# Altium PCB Testopstelling_DA_BOX_V1.0.PcbDoc (part 2 of 3) (continued)
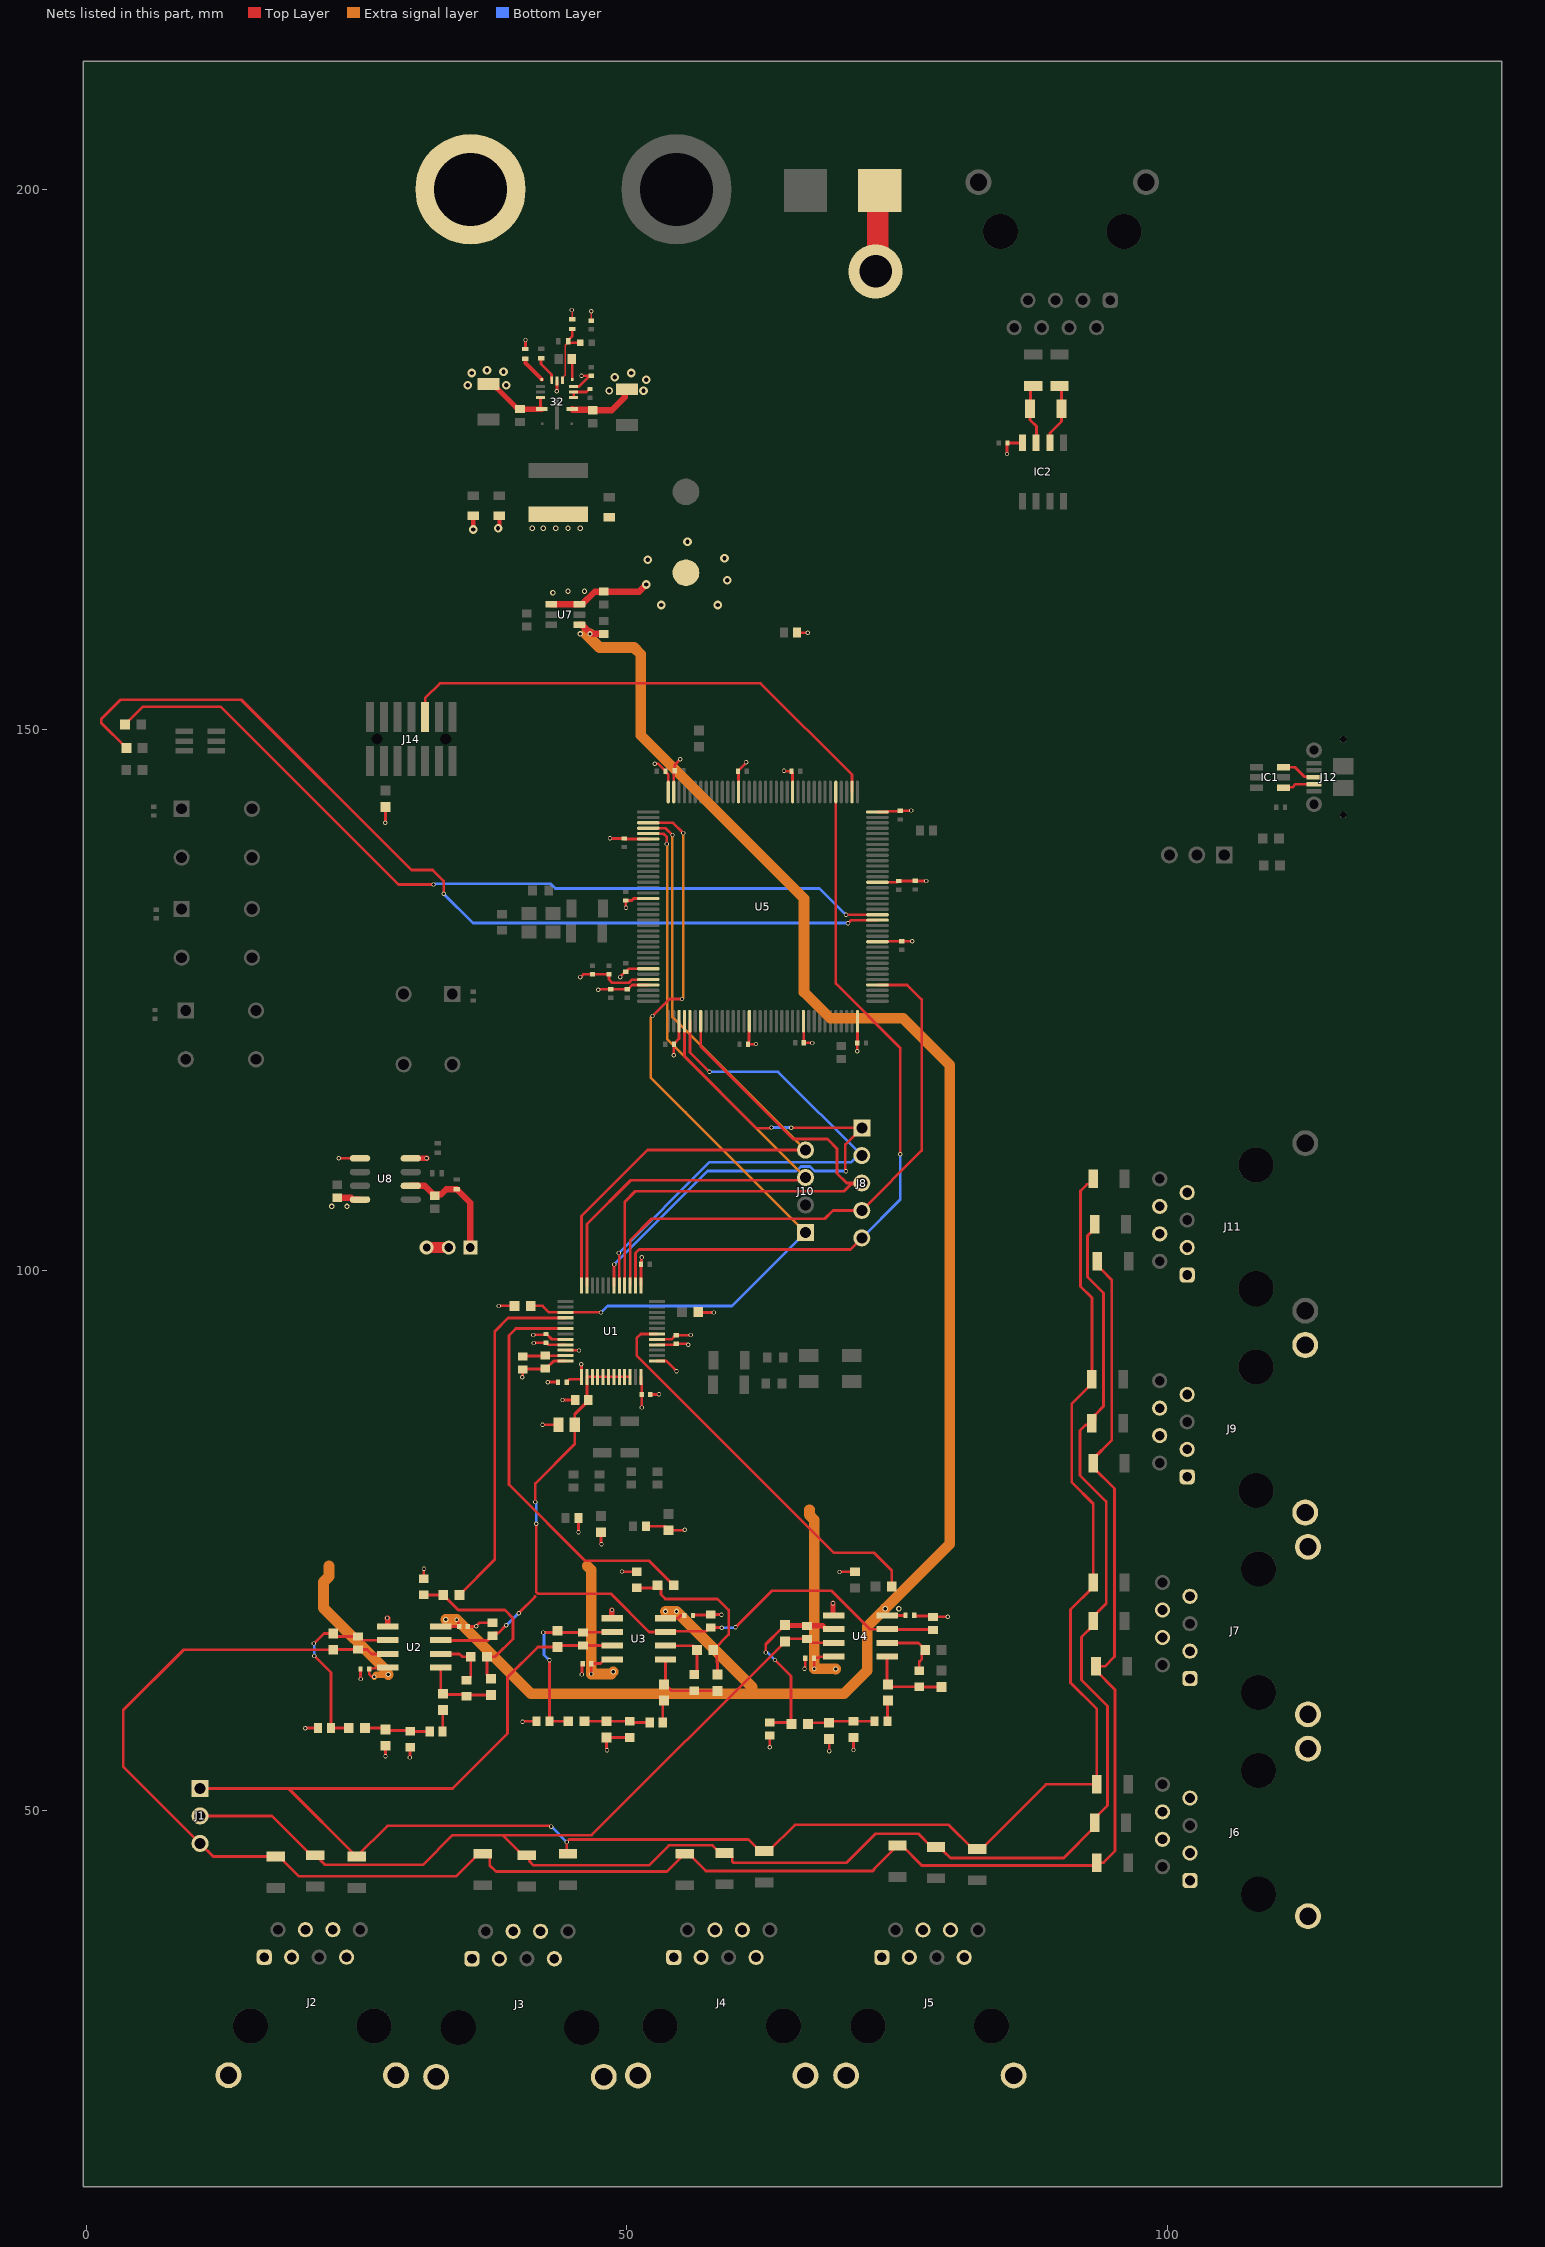
[diagram p6: the nets of this part, all layers, seen from the top]
## Part data (continued)
U8: library part CMP-0476-01501-1, "Low 160 mV Dropout Voltage, Internal PNP Pass Element, 200 mV Reference Voltage, 0.9 to 10 V Vin, Adjustable Vout, 8-pin SOIC (S8-8), -40 to 125 degC, Pb-Free", Dropout Voltage(V)=0.155, Manufacturer="Linear Technology", Output Voltage=Adj, Shutdown Current(uA)=3, ComponentLink1Description="Manufacturer URL", ComponentLink1URL=http://www.linear.com/, ComponentLink2Description=Datasheet, ComponentLink2URL=http://cds.linear.com/docs/en/datasheet/3021fc.pdf, ComponentLink3Description="Package Specification", ComponentLink3URL=http://cds.linear.com/docs/en/packaging/05081610_G_SO8.pdf, DatasheetVersion="Rev. C", Discrete Pass Element=no, Iout(mA)=500, Isupply(mA)=0.12, Mounting Technology="Surface Mount", Noise(uV)=300, Number Of Outputs=1, PackageDescription="8-Pin Plastic Small Outline (Narrow .150 Inch), Body 4.9 x 3.9 mm, Pitch 1.27 mm", PackageReference=S8-8, PackageVersion="Rev. G, 03/2012", PartNumber=LT3021ES8#PBF, PSRR(dB)=70, RoHS=TRUE, Vin Max(V)=10, Vin Min(V)=0.9, Vout Max(V)=9.8, Vout Min(V)=0.2
Y1: library part CMP-1688-00004-2, "Crystal 12.288MHz ±20ppm 18pF SMD-4 5mm x 3.2mm", Case/Package=CSMD, ESR (Equivalent Series Resistance)=70R, Frequency=12.288MHz, Frequency Stability=50ppm, Frequency Tolerance=20ppm, Load Capacitance=18pF, Max Operating Temperature=70°C, Min Operating Temperature=-20°C, Operating Frequency="12.288 MHz", Package Quantity=1000, Resistor Type=Ceramic, Depth=3.2mm, Height=0.043inch, Lead Free="Lead Free", Length=5mm, Mount="Surface Mount", Number of Pins=4, Packaging="Tape and Reel", Radiation Hardening=No, REACH SVHC="No SVHC", Series=ABM3B, Termination=SMD/SMT, Tolerance=20ppm, Width=3.2mm
Y2: library part CMP-2000-05039-3, "Crystal 12MHz ±20ppm (Tol) ±30ppm (Stability) 18pF FUND 120Ω 4-Pin SMD T/R", Case/Package=CSMD, ESR (Equivalent Series Resistance)=120R, Frequency=12MHz, Frequency Stability=30ppm, Frequency Tolerance=20ppm, Load Capacitance=18pF, Max Operating Temperature=85°C, Min Operating Temperature=-40°C, Operating Frequency="12 MHz", Package Quantity=1000, Depth=2.5mm, Height=1mm, Lead Free="Lead Free", Length=3.2mm, Mount="Surface Mount", Number of Pins=4, Packaging="Tape and Reel", Radiation Hardening=No, Series=ABM8G, Series Resistance=120R, Termination=SMD/SMT, Tolerance=20ppm, Width=2.5mm

## Via types
v1: diameter 0.4, hole 0.25, Top Layer to Bottom Layer, 193 vias
v2: diameter 0.5, hole 0.3, Top Layer to Bottom Layer, 39 vias
v3: diameter 0.8, hole 0.4, Top Layer to Bottom Layer, 24 vias
v4: diameter 5, hole 3, Top Layer to Bottom Layer, 5 vias
v5: diameter 1.27, hole 0.711, Top Layer to Bottom Layer, 1 vias
v6: diameter 0.7, hole 0.4, Top Layer to Bottom Layer, 1 vias

## Nets (pads, with @x,y where several pads share a name; then routed paths per layer and width w, separated by ;. In a path a pad name is that pad's centre, name@x,y a point inside that pad or via, vN(x,y) a via of type N, cw(c..) or ccw(c..) an arc to the next point about the centre after c; other vN are vias at no path point)
"+3V1 (AVDD)": C24.1 C25.1 C35.1 C36.1 C37.1 C38.1 C39.1 C75.2 C84.1 C86.1 C88.1 R28.2 R30.2 R65.2 U1.5 U1.33 U1.37 U1.48 U2.8 U3.8 U4.8 U8.2 | length 81.4
  Top Layer w0.254: v1(26.645,62.395) 26.617,62.423 26.4,62.423 26.181,62.642 C84.1@26.181,63.119 26.244,63.182 27.826,63.182 U2.8@27.889,63.246 ; v1(41.395,93.28) 41.408,93.294 42.532,93.294 C35.1@42.545,93.307 42.595,93.307 42.784,93.118 U1.33@44.355,93.118 ; C38.1@44.45,89.662 44.45,89.712 44.523,89.785 44.573,89.785 44.704,89.916 45.812,89.916 45.825,89.929 U1.37@45.825,90.149 45.825,91.298 v1(45.806,91.316) ; v1(45.54,75.76) 45.558,75.777 C25.1@45.558,77.089 ; v1(46.721,62.669) 46.736,62.683 C86.1@46.736,63.627 47.574,63.627 47.955,64.008 U3.8@48.666,64.008 ; R30.2@47.633,75.78 47.633,74.702 v1(47.668,74.668) ; U1.48@51.325,90.149 51.325,89.552 51.397,89.48 C36.1@51.397,88.519 v1@51.396,87.309 ; C24.1@51.991,76.136 C24.1@51.8,76.327 53.496,76.327 R28.2@53.867,75.957 ; U1.5@52.802,93.626 U1.5@52.791,93.615 54.151,93.615 54.535,93.999 C37.1@54.585,93.999 55.904,93.999 v1(55.92,94.015) ; R28.2@53.867,75.957 55.326,75.957 v1(55.367,75.998) ; v1(67.362,63.14) 67.346,63.157 67.346,64.152 67.359,64.165 67.756,64.165 67.853,64.262 U4.8@69.164,64.262
  Top Layer w0.6: U8.2@30.036,107.823 31.334,107.823 32.108,107.049 32.108,106.974 32.183,106.899 C75.2@32.258,106.899 ; C75.2@32.263,106.974 32.69,106.974 32.759,107.044 32.849,107.044 33.306,107.5 R65.2@34.29,107.5 35.544,106.246 C39.1@35.544,102.108
  Extra signal layer w0.6: v1(26.645,62.395) 26.86,62.611 v2(27.94,62.611)
  Extra signal layer w1: 22.479,72.644 22.479,71.687 21.971,71.179 21.971,68.773 27.761,62.984 27.761,62.79 v2(27.94,62.611) ; 46.355,72.644 46.721,72.278 v1(46.721,62.669) 48.572,62.669 v2(48.768,62.865) ; 66.929,77.851 66.903,77.825 66.903,77.369 67.362,76.91 v1(67.362,63.14) 69.321,63.14 v2(69.342,63.119)
  other v1: 51.396,87.308
"+3V3 (DVVD)": 32.5 C34.1 C46.1 C47.1 C48.1 C49.1 C50.1 C51.1 C52.1 C53.1 C54.1 C55.1 C56.1 C57.1 C58.1 C59.1 C60.1 C61.1 C62.1 C63.2 C68.1 C69.1 C70.1 C72.2 C73.2 C77.1 C79.2 C80.1 C90.1 C91.1 C92.1 IC2.8 L1.2 R37.2 R53.2 R59.2 R60.2 R62.1 U1.13 U5.6 U5.17 U5.30 U5.32 U5.33 U5.39 U5.52 U5.62 U5.72 U5.84 U5.95 U5.108 U5.121 U5.131 U5.143 U5.144 U7.3 U7.4 U8.5 U8.8 | length 88.5
  Top Layer w0.15: v1(44.921,188.835) 44.958,188.797 R60.2@44.958,187.971 R60.2@45.017,187.911 ; C72.2@46.677,187.911 C72.2@46.736,187.852 v1(46.736,188.722)
  Top Layer w0.254: v1(23.368,110.363) U8.5@25.336,110.363 ; v1(27.662,141.407) 27.686,141.431 R59.2@27.686,142.875 ; v1(38.176,96.706) 38.187,96.717 R53.2@39.635,96.717 ; R62.1@40.64,185.235 v1(40.64,186.055) ; 32.5@45.098,181.751 45.599,181.751 46.528,182.68 46.663,182.68 C73.2@46.736,182.753 46.729,182.76 45.827,182.76 v1(45.82,182.768) ; v1(45.72,127.127) 45.76,127.127 46.012,127.379 C61.1@46.842,127.379 C62.1@48.366,127.379 48.366,126.894 48.666,126.594 50.199,126.594 50.493,126.887 51.059,126.887 51.063,126.891 51.995,126.891 U5.32@52.004,126.9 ; v1(47.377,125.965) 47.415,126.003 C55.1@48.535,126.003 C54.1@50.059,126.003 50.109,126.003 50.506,126.4 U5.33@52.004,126.4 ; v1(48.458,139.96) 48.464,139.954 C51.1@49.784,139.954 49.829,139.909 51.995,139.909 U5.6@52.004,139.9 ; v1(49.403,127.127) 49.403,127.158 49.861,127.616 49.961,127.616 50.034,127.689 50.034,127.739 50.186,127.891 51.082,127.891 51.092,127.9 U5.30@52.004,127.9 ; v1(49.94,133.547) 49.911,133.576 C53.1@49.911,134.22 50.473,134.22 50.653,134.4 U5.17@52.004,134.4 ; U1.13@51.325,98.582 51.327,98.584 51.327,100.566 51.372,100.611 v1@51.372,101.183 ; v1(52.588,146.868) 52.903,146.868 C48.1@53.594,146.177 53.594,146.127 53.854,145.867 U5.144@53.854,144.25 ; U5.143@54.354,144.25 C49.1@54.354,146.07 ; v1(54.356,119.888) 54.365,119.897 54.365,120.945 54.854,121.433 U5.39@54.854,123.05 ; C49.1@54.457,146.223 54.457,146.772 v1(54.951,147.265) ; R37.2@56.62,96.139 56.657,96.102 v1(58.062,96.102) ; U5.131@60.354,144.25 60.345,144.259 60.345,146.138 C52.1@60.306,146.177 61.051,146.922 v1(61.051,146.991) ; U5.52@61.354,123.05 61.354,122.138 61.327,122.11 61.327,121.176 61.306,121.155 61.306,120.977 C59.1@61.233,120.904 61.327,120.904 61.928,120.904 v1(61.96,120.936) ; v1(64.562,146.223) 64.608,146.177 C92.1@65.259,146.177 ; U5.121@65.354,144.25 C92.1@65.354,146.032 ; C56.1@65.751,159.004 65.774,158.981 v1(66.746,158.981) ; U5.62@66.354,123.05 66.354,122.138 66.395,122.096 C60.1@66.395,121.072 66.416,121.052 67.162,121.052 v1(67.183,121.031) ; v1(71.338,120.277) 71.336,120.279 C46.1@71.336,121.031 71.345,121.04 71.345,123.041 U5.72@71.354,123.05 ; U5.84@73.204,130.4 74.116,130.4 74.164,130.448 C50.1@75.438,130.448 76.427,130.448 v1(76.429,130.449) ; U5.95@73.204,135.9 75.017,135.9 75.134,136.017 C91.1@75.184,136.017 75.193,136.026 76.699,136.026 C90.1@76.708,136.036 76.717,136.026 77.715,136.026 v1(77.724,136.017) ; U5.108@73.204,142.4 74.116,142.4 74.187,142.471 75.269,142.471 C47.1@75.311,142.513 76.297,142.513 v1(76.316,142.532) ; v1(85.189,175.524) 85.189,176.501 C80.1@85.225,176.536 86.575,176.536 IC2.8@86.614,176.575
  Top Layer w0.381: v3(35.814,168.529) C68.1@35.814,169.799 ; v3(38.109,168.65) 38.227,168.768 C69.1@38.227,169.799
  Top Layer w0.6: C79.2@23.241,106.715 24.524,106.715 24.686,106.553 U8.8@25.336,106.553 ; U7.4@43.023,161.605 U7.3@45.623,161.605 45.873,161.605 47.047,162.779 C77.1@47.879,162.779 51.146,162.779 v3(51.816,163.449)
  other v1: 51.385,101.197
  other v2: 22.733,105.918 24.13,105.918 43.18,162.687 44.577,162.814 46.101,162.814 41.275,168.656 42.291,168.656 43.434,168.656 44.577,168.656 45.72,168.656
  other v3: 53.213,161.544 58.42,161.544 59.309,163.83 51.943,165.735 59.055,165.862 55.626,167.386
+30V: 32.2 32.13 32.14 C64.1 C65.1 C66.1 C67.1 J15.1 | length 14.9
  Top Layer w0.3: 32.13@42.022,180.751 42.022,179.726 42.072,179.676 32.14@42.147,179.676
  Top Layer w0.5: C64.1@37.211,181.99 37.686,181.99 37.986,181.69 37.986,181.605 39.796,179.795 40.007,179.795 C65.1@40.132,179.67 40.135,179.673 42.144,179.673 32.14@42.147,179.676
  Top Layer w0.6: 32.2@44.973,179.676 45.03,179.619 46.805,179.619 C67.1@46.862,179.562 47.122,179.557 47.125,179.557 48.622,179.557 49.822,180.757 49.822,181.286 C66.1@50.037,181.501
  Extra signal layer w5: J15.1@34.482,200.914 34.564,200.996 J15.1@35.56,200
  other v3: 51.562,181.356 35.306,181.864 38.862,181.864 51.816,182.372 48.895,182.626 35.687,183.007 50.419,183.007 38.608,183.134 37.084,183.261
  other v6: 48.387,181.356
"-3V3 (AS)": C76.1 C85.1 C87.1 C89.1 U2.4 U3.4 U4.4 U7.1 | length 182
  Top Layer w0.254: U2.4@32.817,67.056 C85.1@34.506,67.056 34.433,67.129 34.433,67.508 34.29,67.651 v1(34.29,67.691) ; U3.4@53.594,67.818 54.737,67.818 55.011,68.092 55.314,68.092 C87.1@55.334,68.072 ; U4.4@74.092,68.072 74.102,68.083 75.79,68.083 C89.1@75.8,68.093
  Top Layer w0.6: U7.1@45.623,159.705 45.873,159.705 46.701,158.877 C76.1@47.879,158.877
  Extra signal layer w1: v2(33.274,67.691) v1(34.29,67.691) 41.148,60.833 61.595,60.833 ; v2(46.609,158.877) 46.228,158.877 47.498,157.607 50.693,157.607 51.308,156.992 51.308,149.495 66.421,134.382 66.421,125.73 68.834,123.317 75.565,123.317 79.883,118.999 79.883,74.676 v2(73.914,68.707) 72.263,67.056 72.263,62.992 70.104,60.833 61.595,60.833 ; v2(53.594,68.453) v2(54.61,68.453) 61.595,61.468 61.595,60.833
  other v2: 75.184,68.707 45.72,158.877
A: IC2.6 R68.1 R69.1 | length 5.8
  Top Layer w0.254: IC2.6@89.154,176.575 89.159,176.58 89.159,177.461 90.223,178.525 R69.1@90.223,179.705 90.223,181.631 R68.1@90.043,181.811
AGND: 32.8 C2.1 C5.2 C6.2 C7.2 C9.1 C12.2 C13.2 C14.2 C16.1 C19.2 C20.2 C21.2 C30.2 C31.2 C32.2 C33.2 C35.2 C36.2 C37.2 C38.2 C39.2 C84.2 C85.2 C86.2 C87.2 C88.2 C89.2 J2.1 J2.3 J2.4 J2.6 J2.7 J2.Shell J3.1 J3.3 J3.4 J3.6 J3.7 J3.Shell J4.1 J4.3 J4.4 J4.6 J4.7 J4.Shell J5.1 J5.3 J5.4 J5.6 J5.7 J5.Shell J6.1 J6.3 J6.4 J6.6 J6.7 J6.Shell J7.1 J7.3 J7.4 J7.6 J7.7 J7.Shell J9.1 J9.3 J9.4 J9.6 J9.7 J9.Shell J11.1 J11.3 J11.4 J11.6 J11.7 NT1.2 R3.1 R10.1 R17.1 U1.1 U1.4 U1.32 U1.34 U1.36 U2.5 U3.5 U4.5 U8.4 | length 60.1
  Top Layer w0.254: v1(20.258,57.638) 20.277,57.658 C7.2@21.463,57.658 ; C84.2@25.381,63.119 25.381,62.212 v1(25.396,62.197) ; R3.1@27.686,56.018 27.686,55.049 v1(27.694,55.04) ; v1(29.946,54.939) 29.972,54.965 C2.1@29.972,55.88 ; C5.2@31.242,71.477 31.242,72.391 v1(31.249,72.398) ; C85.2@35.306,67.056 36.047,67.056 v1(36.077,67.086) 36.393,67.402 C6.2@37.592,67.402 ; v1(40.357,90.108) 40.386,90.136 C33.2@40.386,90.84 40.42,90.874 42.441,90.874 C32.2@42.475,90.909 42.55,90.909 43.256,91.615 U1.36@44.358,91.615 ; v1(40.372,58.257) 40.409,58.293 C14.2@41.656,58.293 ; v1(41.363,94.023) 41.391,94.051 42.492,94.051 42.572,94.13 43.076,93.626 U1.32@44.347,93.626 ; v1(42.224,85.729) 42.229,85.725 C30.2@43.7,85.725 ; v1(42.697,89.641) 42.718,89.662 C38.2@43.65,89.662 ; v1(43.539,181.329) 43.558,181.347 43.558,182.262 32.8@43.56,182.264 ; v1(44.069,88.011) C31.2@45.247,88.011 ; U1.34@44.358,92.615 45.561,92.615 v1(45.593,92.583) ; v1(45.847,62.611) 45.875,62.639 45.875,63.566 C86.2@45.936,63.627 ; v1(48.188,55.613) 48.133,55.668 R10.1@48.133,56.791 50.282,56.791 C9.1@50.292,56.781 ; U3.5@48.641,67.843 U3.5@48.666,67.818 ; v1(49.575,72.142) 49.594,72.124 C12.2@50.927,72.124 ; C36.2@52.197,88.519 52.967,88.519 v1(52.99,88.542) ; U1.1@52.791,91.615 53.673,91.615 v1(54.61,90.678) ; U1.4@52.791,93.115 54.451,93.115 54.535,93.199 C37.2@54.585,93.199 55.582,93.199 55.651,93.13 v1(55.69,93.13) ; C87.2@56.134,68.072 56.18,68.118 57.739,68.118 C13.2@57.785,68.164 58.756,68.164 v1(58.773,68.147) ; v1(63.246,55.88) C21.2@63.246,56.966 ; v1(66.453,63.14) 66.453,63.18 66.529,63.255 C88.2@66.529,64.135 ; R17.1@68.707,56.653 68.734,56.626 v1(68.734,55.529) ; U4.5@69.09,68.146 U4.5@69.164,68.072 ; v1(69.694,72.094) 69.713,72.112 C19.2@71.12,72.112 ; v1(70.993,55.626) C16.1@70.993,56.781 ; C89.2@76.6,68.093 76.673,68.02 78.271,68.02 C20.2@78.344,67.947 79.694,67.947 v1(79.709,67.963)
  Top Layer w0.5: v1(27.863,67.833) 27.889,67.807 U2.5@27.889,67.056 ; U8.4@30.036,110.363 v1(31.496,110.363) ; U3.5@48.641,67.843 v1(48.641,68.58) ; U4.5@69.09,68.146 v1(69.09,69.196)
  Top Layer w1: v5(31.496,102.108) C39.2@33.544,102.108
  Top Layer w1.5: v4(73.025,192.405) v4@73.215,192.595 ; NT1.2@73.215,199.707 NT1.2@73.406,199.898
  Top Layer w2: v4@73.215,192.595 NT1.2@73.215,199.707
B: IC2.7 R69.2 R70.1 | length 5.6
  Top Layer w0.254: R70.1@87.63,181.811 87.357,181.538 87.357,179.739 R69.2@87.323,179.705 87.323,178.665 87.904,178.084 87.904,176.595 IC2.7@87.884,176.575
B_LED: R71.2 U5.89 | length 78.3
  Top Layer w0.254: R71.2@3.596,150.48 R71.2@3.924,150.807 ; R71.2@3.925,150.807 5.264,152.146 12.448,152.146 28.907,135.687 v1(32.143,135.687) ; v1(70.3,132.883) 70.317,132.9 U5.89@73.204,132.9
  Bottom Layer w0.254: v1(32.143,135.687) 32.17,135.715 32.274,135.715 32.314,135.755 42.982,135.755 43.407,135.33 67.852,135.33 v1(70.3,132.883)
CM: C6.1 C13.1 C20.1 C30.1 C31.1 U1.38 U1.39 U1.40 U1.41 U1.42 U1.43 U1.44 U1.45 U1.46 U2.3 U3.3 U4.3 | length 77.8
  Top Layer w0.254: U2.3@32.834,65.769 37.159,65.769 37.269,65.879 37.269,65.954 37.517,66.202 C6.1@37.592,66.202 37.84,66.45 38.136,66.45 v1@38.862,67.176 ; v1(40.013,68.283) 41.529,69.799 41.529,69.85 ; v1(41.551,78.579) 41.551,80.286 45.2,83.935 C30.1@45.2,85.725 45.2,86.689 46.447,87.936 C31.1@46.447,88.011 46.337,88.121 46.337,90.136 U1.38@46.325,90.149 U1.39@46.825,90.149 U1.40@47.325,90.149 U1.41@47.825,90.149 U1.42@48.325,90.149 U1.43@48.825,90.149 U1.44@49.325,90.149 U1.45@49.825,90.149 U1.46@50.325,90.149 ; v1(41.629,76.567) 41.629,70.251 41.797,70.083 48.537,70.083 52.072,66.548 U3.3@53.594,66.548 53.659,66.613 57.359,66.613 57.71,66.964 58.777,66.964 v1(58.796,66.946) ; v1(60.066,66.988) 63.436,70.358 68.961,70.358 72.517,66.802 U4.3@74.092,66.802 74.119,66.774 78.317,66.774 C20.1@78.344,66.747
  Bottom Layer w0.254: v1(38.862,67.183) 38.913,67.183 v1(40.013,68.283) ; v1(41.551,78.579) 41.551,78.54 41.629,78.462 v1(41.629,76.567) ; v1(58.796,66.946) 60.023,66.946 v1(60.066,66.988)
CS: J10.1 R53.1 U1.27 U5.3 | length 77.1
  Top Layer w0.254: R53.1@41.137,96.717 42.221,96.717 42.823,96.115 44.333,96.115 44.345,96.128 U1.27@44.358,96.115 ; U1.27@44.368,96.125 47.615,96.125 v1(47.637,96.103) ; U5.3@52.004,141.4 54.294,141.4 v1(55.236,140.458) ; v1(52.391,123.521) 53.965,125.095 v1(55.118,125.095)
  Extra signal layer w0.254: v1(52.391,123.521) 52.391,123.514 52.222,123.345 52.222,117.831 55.372,114.681 ; v1(55.118,125.095) 55.236,125.213 v1(55.236,140.458) ; 55.435,114.617 J10.1@66.548,103.505
  Bottom Layer w0.254: v1(47.637,96.103) 48.24,96.706 59.749,96.706 J10.1@66.548,103.505
D+: IC1.3 J12.3 | length 3.2
  Top Layer w0.254: IC1.3@110.77,146.543 111.831,146.543 112.715,145.66 113.547,145.66 J12.3@113.584,145.623
D-: IC1.1 J12.2 | length 3
  Top Layer w0.254: IC1.1@110.77,144.643 110.81,144.683 111.597,144.683 111.887,144.973 J12.2@113.584,144.973
DAC_OUT_filter_1: C1.1 C2.2 R3.2 R8.1 | length 6.1
  Top Layer w0.254: R8.1@25.801,57.668 27.538,57.668 27.762,57.444 29.908,57.444 30.006,57.346 C1.1@31.785,57.346
DAC_OUT_filter_2: C8.1 C9.2 R10.2 R15.1 | length 5.9
  Top Layer w0.254: R15.1@46.101,58.293 R10.2@48.133,58.293 50.28,58.293 C9.2@50.292,58.281 ; C9.2@50.419,58.166 C8.1@52.14,58.166
DAC_OUT_filter_3: C15.1 C16.2 R17.2 R22.1 | length 6.3
  Top Layer w0.254: R22.1@66.764,58.038 66.881,58.155 R17.2@68.707,58.155 68.833,58.281 C16.2@70.993,58.281 71.005,58.293 C15.1@72.933,58.293
DAC_OUT_L1: R6.1 U1.28 | length 32.8
  Top Layer w0.254: R6.1@34.533,69.977 37.802,73.245 37.802,94.36 39.04,95.599 43.645,95.599 43.649,95.603 U1.28@44.342,95.603
DAC_OUT_L2: R13.1 U1.30 | length 39.1
  Top Layer w0.254: U1.30@43.645,94.588 43.659,94.603 44.345,94.603 U1.30@44.358,94.615 39.751,94.615 39.116,93.98 39.116,80.179 46.157,73.138 52.084,73.138 R13.1@54.027,71.195 ; R13.1@54.028,71.195 R13.1@54.356,70.866
DAC_OUT_L3: R20.1 U1.6 | length 37
  Top Layer w0.254: U1.6@52.791,94.115 51.316,94.115 50.927,93.726 50.927,92.124 69.179,73.872 72.902,73.872 74.527,72.247 R20.1@74.527,70.739
DAC_OUTPUT_na_filter_L1: C4.2 J1.3 R5.2 R24.1 R31.1 R36.1 R40.1 R43.1 R46.1 R49.1 R52.1 U2.7 | length 192.4
  Top Layer w0.254: U2.7@27.889,64.516 26.416,64.516 26,64.932 C4.2@25.146,64.932 22.884,64.932 R5.2@22.86,64.908 9.028,64.908 3.429,59.309 3.429,54.102 J1.3@10.541,46.99 11.758,45.773 17.926,45.773 18.126,45.573 18.126,45.501 19.685,43.942 34.218,43.942 36.303,46.027 R31.1@36.703,46.027 37.015,46.027 37.338,45.704 37.338,44.958 37.909,44.387 53.732,44.387 R36.1@55.372,46.027 55.772,46.027 56.095,45.704 56.095,45.671 57.33,44.436 72.771,44.436 72.875,44.54 72.875,44.607 R40.1@75.057,46.789 75.457,46.789 77.296,44.95 93.231,44.95 R43.1@93.493,45.212 94.107,45.212 95.186,46.291 95.186,61.206 93.419,62.973 R46.1@93.419,63.373 94.234,63.373 95.123,64.262 95.123,79.811 93.165,81.769 R49.1@93.165,82.169 93.165,82.569 94.869,84.273 94.869,99.134 93.888,100.115 93.869,100.115 93.546,100.438 R52.1@93.546,100.838
DAC_OUTPUT_na_filter_L2: C11.2 J1.1 R1.1 R12.2 R27.1 R32.1 R38.1 R41.1 R44.1 R47.1 R50.1 U3.7 | length 192.4
  Top Layer w0.254: J1.1@10.541,52.07 33.909,52.07 38.989,57.15 38.989,62.357 41.783,65.151 43.595,65.151 R12.2@43.605,65.162 43.749,65.305 C11.2@45.974,65.305 45.988,65.292 48.653,65.292 U3.7@48.666,65.278 ; 18.789,52.003 R1.1@25.019,45.773 27.864,48.618 42.927,48.618 43.001,48.545 v1(43.04,48.545) ; R27.1@44.577,46.027 44.45,46.154 v1(44.45,47.117) 44.685,47.352 61.267,47.352 62.338,46.281 R32.1@62.738,46.281 63.138,46.281 65.564,48.707 79.798,48.707 82.023,46.482 R38.1@82.423,46.482 82.823,46.482 88.792,52.451 R41.1@93.493,52.451 93.493,59.415 91.059,61.849 91.059,68.614 93.165,70.72 R44.1@93.165,71.12 93.165,78.412 91.186,80.391 91.186,87.664 93.038,89.516 R47.1@93.038,89.916 93.038,97.462 91.988,98.512 91.988,107.355 92.592,107.959 92.842,107.959 93.165,108.282 R50.1@93.165,108.458
  Bottom Layer w0.254: v1(43.04,48.545) 43.04,48.536 44.45,47.126 v1(44.45,47.117)
DAC_OUTPUT_na_filter_L3: C18.2 J1.2 R19.2 R23.1 R29.1 R35.1 R39.1 R42.1 R45.1 R48.1 R51.1 U4.7 | length 191.7
  Top Layer w0.254: J1.2@10.541,49.53 17.179,49.53 20.809,45.9 R23.1@21.209,45.9 22,45.109 22.104,45.005 31.162,45.005 33.909,47.752 38.515,47.752 ; R19.2@64.643,65.681 64.314,65.353 64.314,65.297 46.769,47.752 38.515,47.752 ; R19.2@64.643,65.681 64.875,65.913 66.75,65.913 67.119,65.544 U4.7@69.153,65.544 ; R51.1@93.292,104.267 93.292,103.867 92.627,103.202 92.627,99.378 94.107,97.899 94.107,87.428 93.361,86.682 93.361,86.175 92.881,85.695 92.465,85.695 91.948,85.178 91.948,81.026 94.361,78.613 94.361,69.16 93.165,67.964 R45.1@93.165,67.564 93.165,67.164 92.075,66.074 92.075,62.103 94.488,59.69 94.488,50.491 93.292,49.295 R42.1@93.292,48.895 93.292,48.495 90.433,45.636 79.95,45.636 79.336,46.249 79.336,46.339 79.013,46.662 78.213,46.662 76.996,47.879 73.025,47.879 70.358,45.212 59.882,45.212 59.778,45.316 59.778,45.778 59.455,46.101 R35.1@59.055,46.101 58.655,46.101 57.944,46.812 53.924,46.812 52.07,44.958 41.402,44.958 41.021,45.339 41.021,45.646 R29.1@40.767,45.9 40.367,45.9 38.515,47.752
FB: 32.7 R60.1 R61.2 R63.2 | length 6.1
  Top Layer w0.15: 32.7@44.06,182.339 44.06,182.551 44.323,182.815 44.323,185.563 44.588,185.828 R63.2@44.588,185.928
  Top Layer w0.254: R63.2@44.588,185.928 44.588,186.028 44.958,186.398 R60.1@44.958,187.071 ; R63.2@44.661,185.801 R61.2@45.703,185.801
FILTER: C32.1 C33.1 U1.35 | length 3.9
  Top Layer w0.254: C33.1@40.386,92.04 40.42,92.074 42.441,92.074 C32.1@42.475,92.109 U1.35@44.23,92.109 ; U1.35@44.323,92.15 U1.35@44.358,92.115
G_LED: R72.2 U5.88 | length 85.6
  Top Layer w0.254: R72.2@3.723,148.321 1.397,150.647 1.397,151.003 3.175,152.781 14.351,152.781 30.099,137.033 32.059,137.033 33.074,136.018 v1(33.074,134.841) ; v1(70.471,132.12) 70.51,132.12 70.772,132.382 72.253,132.382 72.263,132.391 73.195,132.391 U5.88@73.204,132.4
  Bottom Layer w0.254: v1(33.074,134.841) 35.794,132.12 v1(70.471,132.12)
I2S1_CK: J8.2 U1.17 U5.41 | length 52
  Top Layer w0.254: v1(49.276,101.6) 49.276,101.56 49.325,101.512 U1.17@49.325,98.582 ; U5.41@55.854,123.05 55.854,120.168 v1(57.658,118.364)
  Bottom Layer w0.254: v1(49.276,101.6) 57.682,110.006 70.788,110.006 71.399,110.617 J8.2@71.755,110.617 64.008,118.364 v1(57.658,118.364)
I2S1_SD: J8.3 U1.16 U5.43 | length 54.2
  Top Layer w0.254: U1.16@49.825,98.582 49.825,106.34 50.8,107.315 70.097,107.315 70.743,107.961 71.639,107.961 J8.3@71.755,108.077 70.358,108.077 69.469,108.966 69.469,111.252 68.58,112.141 65.405,112.141 56.854,120.692 U5.43@56.854,123.05
I2S1_WS: J8.1 U1.18 U5.40 | length 55
  Top Layer w0.254: U1.18@48.825,98.582 48.825,100.523 v1(48.841,100.539) ; U5.40@55.354,123.05 55.354,119.803 62.022,113.134 63.29,113.134 63.368,113.213 v1(63.408,113.213) ; v1(65.217,113.187) J8.1@71.725,113.187 ; v1(70.296,109.165) 70.231,109.23 70.231,111.633 J8.1@71.755,113.157 J8.1@71.725,113.187 ; J8.1@71.371,113.541 J8.1@71.725,113.187
  Bottom Layer w0.254: v1(48.841,100.539) 57.49,109.189 65.72,109.189 66.129,109.597 66.967,109.597 67.376,109.189 70.272,109.189 v1(70.296,109.165) ; v1(63.408,113.213) 65.191,113.213 v1(65.217,113.187)
I2S2_SD: J8.4 U1.15 U5.76 | length 53.2
  Top Layer w0.254: U1.15@50.325,98.582 50.325,102.776 52.324,104.775 68.326,104.775 69.088,105.537 J8.4@71.755,105.537 77.292,111.074 77.292,125.057 75.95,126.4 U5.76@73.204,126.4
I2S3_SD: J8.5 U1.14 U5.113 | length 69.7
  Top Layer w0.254: U1.14@50.82,98.586 50.82,101.611 51.143,101.934 70.692,101.934 J8.5@71.755,102.997 ; U5.113@69.354,144.25 69.354,126.539 75.311,120.582 v1(75.311,110.744)
  Bottom Layer w0.254: J8.5@71.755,102.997 75.311,106.553 v1(75.311,110.744)
JTDI: J14.10 U5.110 | length 46.9
  Top Layer w0.254: J14.10@31.362,151.176 31.362,152.939 32.728,154.305 62.397,154.305 70.845,145.857 70.845,144.259 U5.110@70.854,144.25
MISO: J10.4 U1.24 U5.4 | length 66.4
  Top Layer w0.254: U1.24@45.825,98.582 45.825,105.026 51.924,111.125 J10.4@66.548,111.125 ; U5.4@52.004,140.9 53.602,140.9 v1(54.237,140.264)
  Extra signal layer w0.254: v1(54.237,140.264) 54.229,140.256 54.229,123.444 J10.4@66.548,111.125
MOSI: J10.3 U1.23 U5.5 | length 66.5
  Top Layer w0.254: U1.23@46.325,98.582 46.325,104.272 50.384,108.331 66.548,108.331 J10.3@66.548,108.585 ; U5.5@52.004,140.4 52.013,140.391 53.419,140.391 53.721,140.09 v1(53.721,139.446)
  Extra signal layer w0.254: v1(53.721,139.446) 53.747,139.42 53.747,121.386 J10.3@66.548,108.585
Net32_3: 32.3 32.4 C71.2 | length 2.1
  Top Layer w0.254: 32.3@45.098,180.751 32.4@45.098,181.251 46.288,181.251 46.558,181.521 C71.2@46.608,181.521
Net32_6: 32.6 C74.1 | length 1.9
  Top Layer w0.254: C74.1@44.922,184.296 44.96,184.258 32.6@44.96,182.401
Net32_9: 32.9 R64.2 | length 2.4
  Top Layer w0.254: R64.2@42.088,184.367 42.088,183.845 43.058,182.875 43.058,182.341 32.9@43.06,182.339
Net32_10: 32.10 R62.2 | length 2.6
  Top Layer w0.4: R62.2@40.64,184.335 40.64,183.921 32.10@42.16,182.401
NetC1_2: C1.2 R2.2 | length 2
  Top Layer w0.254: C1.2@32.985,57.346 32.985,59.296 R2.2@33.02,59.331
NetC3_1: C3.1 R7.2 U2.2 | length 5.2
  Top Layer w0.254: U2.2@32.817,64.516 34.544,64.516 34.798,64.262 R7.2@35.582,64.262 35.582,62.444 35.229,62.091 C3.1@35.179,62.091
NetC3_2: C3.2 R2.1 R4.2 U2.1 | length 9.4
  Top Layer w0.254: U2.1@32.817,63.246 32.817,61.036 33.082,60.771 34.999,60.771 C3.2@35.179,60.591 35.305,60.717 R4.2@37.465,60.717 C3.2@35.179,60.717
NetC4_1: C4.1 C7.1 R5.1 R8.2 U2.6 | length 17.6
  Top Layer w0.254: v1(21.064,65.48) 21.994,66.41 R5.1@22.86,66.41 23.138,66.132 C4.1@25.146,66.132 25.221,66.132 25.567,65.786 U2.6@27.889,65.786 ; v1(21.112,64.333) 22.663,62.782 C7.1@22.663,57.658 22.673,57.668 R8.2@24.298,57.668
  Bottom Layer w0.254: v1(21.064,65.48) 21.112,65.432 v1(21.112,64.333)
NetC5_1: C5.1 R4.1 R6.2 R7.1 | length 16.4
  Top Layer w0.254: C5.1@31.242,69.977 R6.2@33.031,69.977 ; R6.2@33.031,69.977 R6.2@33.359,69.648 ; R6.2@33.36,69.648 34.428,68.58 38.735,68.58 39.497,67.818 39.497,65.913 37.846,64.262 R7.1@37.084,64.262 37.084,62.599 R4.1@37.465,62.219
NetC8_2: C8.2 R9.2 | length 2.1
  Top Layer w0.254: C8.2@53.34,58.166 53.34,60.071 R9.2@53.467,60.198
NetC10_1: C10.1 R14.2 U3.2 | length 5.5
  Top Layer w0.254: U3.2@53.594,65.278 56.135,65.278 R14.2@56.515,64.897 ; C10.1@56.261,62.611 56.515,62.865 R14.2@56.515,64.897
NetC10_2: C10.2 R9.1 R11.2 U3.1 | length 7.6
  Top Layer w0.254: R9.1@53.467,61.7 R9.1@53.516,61.749 ; U3.1@53.594,64.008 53.594,61.827 R9.1@53.516,61.749 ; R11.2@58.399,61.098 58.386,61.111 C10.2@56.261,61.111 54.154,61.111 53.892,61.373 53.796,61.373 53.516,61.653 R9.1@53.516,61.749
NetC11_1: C11.1 C14.1 R12.1 R15.2 U3.6 | length 16.6
  Top Layer w0.254: v1(42.293,66.504) 43.445,66.504 R12.1@43.605,66.664 43.765,66.505 C11.1@45.974,66.505 45.996,66.526 48.645,66.526 U3.6@48.666,66.548 ; v1(42.868,63.934) 42.856,63.922 42.856,58.541 43.104,58.293 R15.2@44.599,58.293
  Bottom Layer w0.254: v1(42.293,66.504) 42.293,66.465 42.366,66.391 42.366,64.435 v1(42.868,63.934)
NetC12_1: C12.1 R11.1 R13.2 R14.1 | length 16.6
  Top Layer w0.254: C12.1@50.927,70.624 52.612,70.624 R13.2@52.854,70.866 53.181,70.538 53.181,70.009 53.581,69.609 58.407,69.609 59.436,68.58 59.436,66.317 R14.1@58.017,64.897 ; R14.1@58.017,64.897 58.345,64.569 58.345,63.775 58.399,63.721 R11.1@58.399,62.6
NetC15_2: C15.2 R16.2 | length 1.9
  Top Layer w0.254: C15.2@74.133,58.293 74.133,60.163 R16.2@74.168,60.198
NetC17_1: C17.1 R21.2 U4.2 | length 5.9
  Top Layer w0.254: U4.2@74.092,65.532 76.985,65.532 R21.2@77.619,64.897 ; C17.1@77.066,62.973 77.066,63.794 77.291,64.019 77.291,64.569 R21.2@77.619,64.897
NetC17_2: C17.2 R16.1 R18.2 U4.1 | length 7.6
  Top Layer w0.254: U4.1@74.092,64.262 74.092,61.777 R16.1@74.168,61.7 74.396,61.473 C17.2@77.066,61.473 77.07,61.468 R18.2@79.121,61.468
NetC18_1: C18.1 C21.1 R19.1 R22.2 U4.6 | length 17.6
  Top Layer w0.254: v1(62.869,64.644) 62.869,65.409 R19.1@64.314,66.854 ; C21.1@63.246,58.166 65.133,58.166 R22.2@65.212,58.086 ; v1(63.729,63.951) 65.212,62.468 R22.2@65.212,58.086 ; R19.1@64.314,66.855 R19.1@64.643,67.183 ; R22.2@65.261,58.038 R22.2@65.212,58.086
  Top Layer w0.5: R19.1@64.643,67.183 64.678,67.148 66.64,67.148 C18.1@66.675,67.113 68.142,67.113 68.453,66.802 U4.6@69.164,66.802
  Bottom Layer w0.254: v1(62.869,64.644) 63.036,64.644 v1(63.729,63.951)